# Altium PCB 控制板.PcbDoc (part 4 of 12)
Units mil, origin at the board's own origin, x right, y up, seen from the top; angles counter-clockwise.
Board outline 8150.4 x 2246.9 mil, 6 copper layers (TopLayer, MidLayer1, MidLayer2, MidLayer3, MidLayer4, BottomLayer); 1570 components, 853 nets, 4888 pads, 1859 vias.
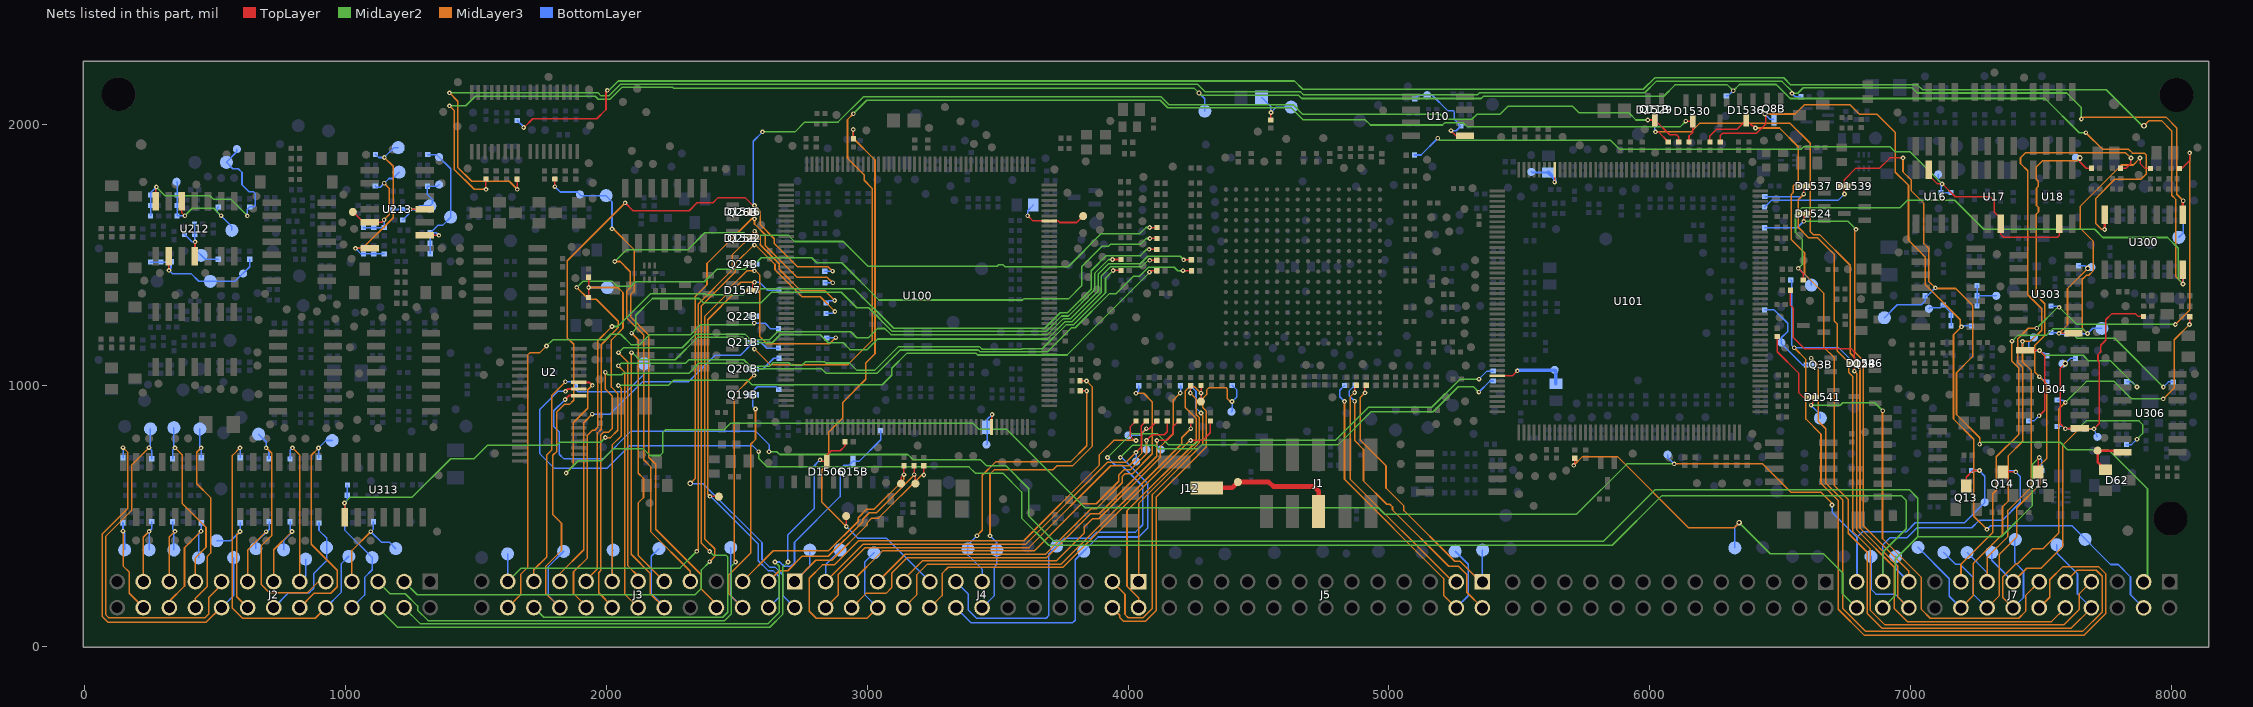
[diagram p8: the nets of this part, all layers, seen from the top]

## Via types
v1: diameter 18, hole 8, TopLayer to BottomLayer, tented both sides, 1737 vias
v2: diameter 20, hole 12, TopLayer to BottomLayer, tented both sides, 71 vias
v3: diameter 22, hole 12, TopLayer to BottomLayer, tented both sides, 51 vias

## Nets (pads, with @x,y where several pads share a name; then routed paths per layer and width w, separated by ;. In a path a pad name is that pad's centre, name@x,y a point inside that pad or via, vN(x,y) a via of type N, cw(c..) or ccw(c..) an arc to the next point about the centre after c; other vN are vias at no path point) (continued)
J2-3_0: J2.3 Q24B.3 R557.2 | length 3161.2
  MidLayer2 w6: J2.3@1224.4,248.4 1274.6,198.2 2340.1,198.2 2364.4,222.5 2364.4,292.9 v1(2396.1,324.6)
  MidLayer3 w6: v1(2396.1,324.6) 2415.7,344.2 2415.7,373.8 2376.5,413 2376.5,1265 2474,1362.5 2474,1375.9 2537.7,1439.6 2573.2,1439.6 2587.4,1425.4 2587.4,1188.7 2616.1,1160 2855.6,1160 v1(2879.4,1183.8)
  BottomLayer w6: Q24B.3@2562.6,1465.45 2562.6,1444.4 v1(2567.4,1439.6) ; R557.2@2844.8,1182.5 2878.1,1182.5 v1(2879.4,1183.8)
J2-4_0: J2.4 Q15B.3 R545.1 | length 2437.2
  MidLayer2 w6: J2.4@1224.4,148.4 1286.9,85.9 2618.2,85.9 2662.4,130.1 2662.4,307.1 v1(2646.1,323.4)
  BottomLayer w6: v1(2646.1,323.4) 2665,323.4 2681.5,306.9 2706.9,306.9 2721.3,321.3 2721.3,399.4 2896.1,574.2 2896.1,678.4 2912.3,694.6 2930.2,694.6 2944.8,709.2 2968.6,709.2 3051.5,792.1 R545.1@3051.5,827.1
J2-5_0: J2.5 Q20B.3 R568.2 | length 2537.8
  MidLayer2 w6: J2.5@1124.4,248.4 1170.7,202.1 1229.1,202.1 1276.1,155.1 1276.1,138.8 1316.1,98.8 2453.6,98.8 2479.4,124.6 2479.4,307.5 v1(2495.7,323.8)
  MidLayer3 w6: v1(2495.7,323.8) 2489.4,330.1 2489.4,963.8 2564.8,1039.2 v1(2566.5,1039.2)
  BottomLayer w6: v1(2566.5,1039.2) 2561.8,1043.9 Q20B.3@2561.8,1064.25 2601.15,1064.25 2641.9,1105 R568.2@2661.6,1105
J2-6_0: D1506.3 J2.6 R168.1 | length 2407.1
  TopLayer w6: v1(2819.4,715) 2825.4,709 D1506.3@2844.85,709 2844.85,732.95 2861.9,750 2896.3,750 2914.9,768.6 R168.1@2914.9,784.6
  MidLayer2 w6: J2.6@1124.4,148.4 1199.4,73.4 2626.1,73.4 2676.9,124.2 2676.9,304.6 v1(2696.1,323.8)
  BottomLayer w6: v1(2696.1,323.8) 2696.1,427.9 2796.9,528.7 2796.9,692.5 v1(2819.4,715)
J2-7_0: J2.7 R640.2 TP501.1 | length 386.6
  MidLayer3 w6: J2.7@1024.4,248.4 1024.4,367.5 v1(1096.5,439.6)
  BottomLayer w6: R640.2@1106.9,478 1106.9,450 v1(1096.5,439.6) 1137.3,398.8 1168.2,398.8 TP501.1@1192.4,374.6
J2-8_0: J2.8 R642.1 TP500.1 | length 401.7
  BottomLayer w6: R642.1@996.1,474.2 996.1,446.3 1101.9,340.5 1101.9,293.3 1072.8,264.2 1072.8,196.8 J2.8@1024.4,148.4
J2-9_0: J2.9 R697.2 TP516.1 | length 938.7
  MidLayer3 w6: v1(695.7,761.3) 716.9,740.1 716.9,425.4 676.1,384.6 676.1,237.9 707.7,206.3 854.5,206.3 896.6,248.4 J2.9@924.4,248.4
  BottomLayer w6: TP516.1@666.5,813.4 695.7,784.2 v1(695.7,761.3) 706.5,750.5 R697.2@706.5,719.2
J2-10_0: J2.10 R701.2 TP502.1 | length 1290.1
  MidLayer3 w6: v1(595.3,761.3) 566.1,732.1 566.1,145.9 604.5,107.5 883.5,107.5 J2.10@924.4,148.4
  BottomLayer w6: v1(595.3,761.3) 596.6,760 R701.2@596.6,723.4 ; J2.10@924.4,148.4 982.8,206.8 982.8,315.4 TP502.1@1012.4,345
J2-11_0: J2.11 R696.2 TP209.1 | length 666.3
  MidLayer3 w6: v1(796.5,761.3) 824.4,733.4 J2.11@824.4,248.4
  BottomLayer w6: R696.2@787.4,718.7 787.4,752.2 v1(796.5,761.3) ; J2.11@824.4,248.4 846.9,270.9 TP209.1@846.9,334.6
J2-12_0: J2.12 R694.2 TP515.1 | length 863.4
  MidLayer3 w6: J2.12@824.4,148.4 879.4,203.4 943.2,203.4 968.2,228.4 968.2,292.2 868.6,391.8 868.6,733 v1(896.1,760.5)
  BottomLayer w6: R694.2@897.7,723.8 897.7,758.9 v1(896.1,760.5) 924.8,789.2 TP515.1@948.6,789.2
J2-13_0: J2.13 R688.2 TP507.1 | length 345.5
  MidLayer3 w6: J2.13@724.4,248.4 724.4,370 v1(794.9,440.5)
  BottomLayer w6: TP507.1@762.4,370 762.4,403.8 794.9,436.3 v1(794.9,440.5) 787.4,448 R688.2@787.4,477.6
J2-14_0: J2.14 R686.1 TP503.1 | length 467.9
  BottomLayer w6: J2.14@724.4,148.4 782.3,206.3 862,206.3 877.8,222.1 877.8,279.6 927.4,329.2 927.4,415.4 898.2,444.6 R686.1@898.2,473.4
J2-15_0: J2.15 R689.2 TP508.1 | length 346.1
  MidLayer3 w6: J2.15@624.4,248.4 624.4,368.7 v1(695.7,440)
  BottomLayer w6: TP508.1@656.3,374.6 656.3,397.8 707.4,448.9 R689.2@707.4,478.4
J2-16_0: J2.16 R691.1 TP514.1 | length 452.5
  MidLayer3 w6: v1(595.3,440.5) 582.4,427.6 582.4,190.4 J2.16@624.4,148.4
  BottomLayer w6: TP514.1@506.5,405 559.8,405 596.5,441.7 R691.1@596.5,474.2
J2-17_0: J2.17 R715.1 TP506.1 | length 1380.9
  MidLayer3 w6: v1(246.5,761.7) 179.4,694.6 179.4,520.8 79.9,421.3 79.9,121.7 91.1,110.5 462.4,110.5 475.7,123.8 475.7,187.6 524.4,236.3 J2.17@524.4,248.4
  BottomLayer w6: TP506.1@251.9,833.8 251.9,767.1 v1(246.5,761.7) 256.9,751.3 R715.1@256.9,719.2
J2-18_0: J2.18 R717.1 TP510.1 | length 1434.4
  MidLayer3 w6: v1(146.9,761.7) 165.7,742.9 165.7,529.6 66.9,430.8 66.9,114.7 88.6,93 466.2,93 521.6,148.4 J2.18@524.4,148.4
  BottomLayer w6: R717.1@146.9,723.4 v1(146.9,761.7) ; J2.18@524.4,148.4 571.1,195.1 TP510.1@571.1,340
J2-19_0: J2.19 R714.1 TP504.1 | length 703.6
  MidLayer3 w6: v1(346.1,761.3) 373.2,734.2 373.2,548.4 464.9,456.7 464.9,380.1 424.4,339.6 J2.19@424.4,248.4
  BottomLayer w6: R714.1@336.9,719.2 336.9,752.1 v1(346.1,761.3) 341.9,765.5 TP504.1@341.9,838.4
J2-20_0: J2.20 R705.2 TP1509.1 | length 778.4
  MidLayer3 w6: J2.20@424.4,148.4 424.4,184.6 470.3,230.5 470.3,345.9 482.4,358 482.4,570.4 429.4,623.4 429.4,744.2 v1(446.5,761.3)
  BottomLayer w6: TP1509.1@441.1,833.4 441.1,766.7 446.9,760.9 R705.2@446.9,723.4
J2-21_0: J2.21 R707.1 TP517.1 | length 314.4
  MidLayer3 w6: J2.21@324.4,248.4 324.4,419.6 v1(345.7,440.9)
  BottomLayer w6: R707.1@336.9,477.5 336.9,449.7 v1(345.7,440.9) 341.9,437.1 TP517.1@341.9,369.6
J2-22_0: J2.22 R702.1 TP511.1 | length 481.9
  MidLayer3 w6: J2.22@324.4,148.4 324.4,173.3 382.4,231.3 382.4,378 v1(445.7,441.3)
  BottomLayer w6: TP511.1@436.5,339.6 436.5,432.1 447.4,443 R702.1@447.4,473.8
J2-23_0: J2.23 R708.1 TP513.1 | length 314.4
  MidLayer3 w6: J2.23@224.4,248.4 224.4,418.4 v1(246.9,440.9)
  BottomLayer w6: TP513.1@246.9,370 v1(246.9,440.9) 257.1,451.1 R708.1@257.1,478.4
J2-24_0: J2.24 R710.2 TP512.1 | length 432
  MidLayer3 w6: v1(146.9,441.7) 146.9,308.4 170.3,285 170.3,203.7 224.4,149.6 J2.24@224.4,148.4
  BottomLayer w6: R710.2@146.6,473.8 146.6,442 152.8,435.8 TP512.1@152.8,369.8
J3-1_0: J3.1 R164.2 TP2.1 | length 849.1
  TopLayer w6: R164.2@3216.9,692.6 3217.1,692.4 v1(3217.1,657.1)
  MidLayer3 w6: J3.1@2721.9,248.8 2803.1,330 2864,330 2999.4,465.4 2999.4,473.3 3017.8,491.7 3043.6,491.7 3209,657.1 v1(3217.1,657.1)
  BottomLayer w6: J3.1@2721.9,248.8 2780.3,307.2 TP2.1@2780.3,369.2
J3-2_0: D1516.3 J3.2 R561.2 | length 2301
  TopLayer w6: D1516.3@2562.6,1665.85 2562.6,1644.4 v1(2567.8,1639.2)
  MidLayer3 w6: v2(2321.3,625) 2340.3,644 2340.3,1341.3 2385.7,1386.7 2385.7,1467.9 2557,1639.2 v1(2567.8,1639.2) 2567.8,1619.2 2609,1578 2609,1537.3 2730.8,1415.5 2846.1,1415.5 v1@2867.8,1393.8
  BottomLayer w6: v2@2321.5,623.8 2370.7,623.8 2596.5,398 2596.5,333 2625.7,303.8 2646.9,303.8 2676.1,274.6 2676.1,194.6 J3.2@2721.9,148.8 ; R561.2@2837.7,1393.8 2867.4,1393.8 v1(2867.8,1394.2)
J3-3_0: J3.3 pad.133@3184.9,624.2 R165.2 | length 805.1
  TopLayer w6: R165.2@3179.9,692.2 3179.9,659 3184.9,654 pad.133@3184.9,624.2
  MidLayer3 w6: J3.3@2621.9,248.8 2663.1,290 2695.2,290 2750.2,345 2850.7,345 2982.8,477.1 2982.8,487.1 3007.8,512.1 3035.7,512.1 3180.5,656.9 v1(3180.5,658.4)
J3-4_0: D1517.3 J3.4 pad.90@2431.1,574.2 R572.2 | length 1670.7
  TopLayer w6: v1(2396.5,575) 2430.3,575 pad.90@2431.1,574.2 ; D1517.3@2561.4,1365.45 2561.4,1389.5 v1(2567.8,1395.9)
  MidLayer3 w6: v1(2396.5,575) 2388.2,583.3 2388.2,1252.5 2495.3,1359.6 2495.3,1375.9 2515.3,1395.9 v1(2567.8,1395.9)
  BottomLayer w6: v1(2396.5,575) 2399.9,575 2582.4,392.5 2582.4,327.9 2619.8,290.5 2639,290.5 2662.4,267.1 2662.4,189.3 J3.4@2621.9,148.8 ; v1(2567.8,1395.9) 2586.9,1395.9 2616.9,1365.9 R572.2@2662.2,1365.9
J3-5_0: J3.5 pad.132@3129.9,623.8 R166.2 | length 880.3
  TopLayer w6: pad.132@3129.9,623.8 3129.9,647.6 v1(3140.7,658.4) R166.2@3140.7,692.6
  MidLayer3 w6: J3.5@2521.9,248.8 2639.8,366.7 2851.9,366.7 2965.3,480.1 2965.3,493 2998.6,526.3 3027.4,526.3 3140.7,639.6 v1(3140.7,658.4)
J3-6_0: J3.6 Q19B.3 R567.2 TP1.1 | length 1257.3
  MidLayer3 w6: J3.6@2521.9,148.8 2468.2,202.5 2468.2,272.6 2553.2,357.6 2553.2,775 2571.7,793.5 v1(2571.7,909.8)
  BottomLayer w6: TP1.1@2476.9,378.8 2476.9,193.8 J3.6@2521.9,148.8 ; v1(2571.7,909.8) 2561.9,919.6 2561.9,978.3 2578.6,995 2650.3,995 R567.2@2660.7,984.6
J3-8_0: J3.8 pad.26@1898.2,1733 R179.2 TP55.1 | length 2009.5
  TopLayer w6: v1(1802.4,1762.5) R179.2@1802.4,1792.2
  MidLayer3 w6: v1(2021.5,1600.9) 2026.1,1600.9 2107.4,1519.6 2107.4,1363.9 2092.8,1349.3 2092.8,1263.3 2162.4,1193.7 2162.4,725.4 2189.4,698.4 2189.4,449.2 2364,274.6 2364,219.6 2421.9,161.7 J3.8@2421.9,148.8
  BottomLayer w6: v1(1802.4,1762.5) 1822.8,1742.1 1889,1742.1 1904,1727.1 1999.5,1727.1 2021.5,1705.1 v1(2021.5,1600.9)
J3-9_0: J3.9 R143.1 | length 3616
  TopLayer w6: v1(4082.8,1605.9) 4083,1605.7 R143.1@4110.9,1605.7
  MidLayer2 w6: v1(2031.9,1475.5) 2077.5,1521.1 2313,1521.1 2377.4,1585.5 2526.5,1585.5 2536.5,1575.5 2698.2,1575.5 2721.4,1552.3 2908,1552.3 3003.2,1457.1 3498.1,1457.1 3504.8,1463.8 3519.8,1463.8 3528.1,1455.5 3770.4,1455.5 3897.4,1582.5 4045.2,1582.5 4068.6,1605.9 v1(4082.8,1605.9)
  MidLayer3 w6: v1(2031.9,1475.5) 2052.7,1475.5 2091.5,1436.7 2091.5,1375.4 2078.6,1362.5 2078.6,1258 2142.8,1193.8 2142.8,715.4 2170.7,687.5 2170.7,438.7 2321.9,287.5 J3.9@2321.9,248.8
J3-11_0: J3.11 R156.1 | length 3220.9
  TopLayer w6: v1(3940.1,1483.2) R156.1@3973.2,1483.2
  MidLayer2 w6: v1(2096.9,1200.9) 2112.4,1216.4 2112.4,1269.4 2176.8,1333.8 2356.3,1333.8 2373.4,1316.7 2591.5,1316.7 2632.8,1358 2900.3,1358 2960.3,1298 3005.6,1298 3096.1,1207.5 3686.1,1207.5 3745.3,1266.7 3771.5,1266.7 3871.9,1367.1 3871.9,1429.6 3925.5,1483.2 v1(3940.1,1483.2)
  MidLayer3 w6: v1(2096.9,1200.9) 2122.4,1175.4 2122.4,663.8 2142.4,643.8 2142.4,570.5 2121.5,549.6 2121.5,349.2 J3.11@2221.9,248.8
J3-12_0: J3.12 R146.1 TP29.1 | length 3572.6
  TopLayer w6: v1(4083.2,1479.8) 4083.7,1480.3 R146.1@4110.3,1480.3
  MidLayer2 w5: 3933.4,1456.3 4053.2,1456.3
  MidLayer2 w6: v1(2096.5,1125.9) 2100.2,1125.9 2126.9,1099.2 2264.4,1099.2 2349.8,1184.6 2524.5,1184.6 2545.3,1163.8 2635.7,1163.8 2666.3,1194.4 2820,1194.4 2850.8,1163.6 2908.1,1163.6 2933.7,1138 3000.3,1138 3040.7,1178.4 3691.4,1178.4 3757,1244 3784.5,1244 3896.9,1356.4 3896.9,1419.8 3933.4,1456.3 ; 4053.2,1456.3 4076.7,1479.8 v1(4083.2,1479.8)
  MidLayer3 w6: v1(2096.5,1125.9) 2095.3,1124.7 2095.3,352.9 2168.6,279.6 2168.6,202.1 J3.12@2221.9,148.8
  BottomLayer w6: TP29.1@2201.5,374.6 2171.9,345 2171.9,201.7 2221.9,151.7 J3.12@2221.9,148.8
J3-13_0: J3.13 R137.1 | length 3357.8
  TopLayer w6: v1@4213.6,1482.1 R137.1@4242.6,1482.1
  MidLayer2 w6: v1(2046.1,1125.9) 2065.2,1145 2290.8,1145 2343.1,1197.3 2531,1197.3 2553,1175.3 2625.1,1175.3 2656.1,1206.3 2936.6,1206.3 2959.5,1183.4 3004.5,1183.4 3039.9,1218.8 3067.6,1218.8 3090.9,1195.5 3691.1,1195.5 3751.1,1255.5 3778.9,1255.5 3885.1,1361.7 3885.1,1426.3 3925.5,1466.7 4047,1466.7 4075.8,1495.5 4200,1495.5 v1(4213.4,1482.1)
  MidLayer3 w6: v1(2046.1,1125.9) 2082.4,1089.6 2082.4,308.4 2121.9,268.9 J3.13@2121.9,248.8
J3-14_0: J3.14 R157.1 | length 3133.4
  TopLayer w6: v1(3943,1441.1) 3943.2,1441.3 R157.1@3973.4,1441.3
  MidLayer2 w6: v1(2045.7,1075.9) 2055.7,1085.9 2303.7,1085.9 2316.8,1099 2526.8,1099 2551.2,1074.6 2626.5,1074.6 2639.9,1088 2699.4,1088 2709.9,1077.5 2749.6,1077.5 2762.6,1090.5 2837.1,1090.5 2841.3,1086.3 2932.5,1086.3 2960.8,1058 3028.2,1058 3118.2,1148 3432.3,1148 3441.1,1139.2 3592.3,1139.2 3594.4,1141.3 3671.5,1141.3 3762.5,1232.3 3789.8,1232.3 3913.6,1356.1 3913.6,1411.7 v1(3943,1441.1)
  MidLayer3 w6: v1(2045.7,1075.9) 2069.9,1051.7 2069.9,200.8 J3.14@2121.9,148.8
J3-15_0: J3.15 R147.1 TP30.1 | length 3177.2
  TopLayer w6: v1(4082.6,1434.8) 4088.1,1440.3 R147.1@4110.1,1440.3
  MidLayer2 w6: v1(2045.7,1000.5) 2237.4,1000.5 2257.2,1020.3 2541.3,1020.3 2558.6,1003 3057.4,1003 3093.8,1039.4 3093.8,1066.1 3152.3,1124.6 3416.1,1124.6 3423.6,1117.1 3766.1,1117.1 4082.6,1433.6 v1(4082.6,1434.8)
  MidLayer3 w6: J3.15@2021.9,248.8 2021.9,771.7 2057.8,807.6 2057.8,988.4 v1(2045.7,1000.5)
  BottomLayer w6: J3.15@2021.9,248.8 2021.9,365 TP30.1@2026.1,369.2
J3-16_0: J3.16 R138.1 | length 3433.2
  TopLayer w6: v1(4210.5,1440.3) 4210.7,1440.5 R138.1@4243,1440.5
  MidLayer2 w6: v1(1996.1,1050.9) 2005.7,1041.3 2058.6,1041.3 2064.8,1047.5 2316.5,1047.5 2354,1085 2523.7,1085 2544.9,1063.8 2825.3,1063.8 2842.4,1046.7 3037.4,1046.7 3127,1136.3 3426.1,1136.3 3433.6,1128.8 3690.1,1128.8 3782.8,1221.5 3797.6,1221.5 3927.4,1351.3 3953.2,1351.3 4021.7,1419.8 4044.6,1419.8 4078.6,1453.8 4177.2,1453.8 4190.7,1440.3 v1(4210.5,1440.3)
  MidLayer3 w6: v1(1996.1,1050.9) 1996.1,986.3 2023.2,959.2 2023.2,835.9 2008.2,820.9 1989,820.9 1978.6,810.5 1978.6,290.5 1970.3,282.2 1970.3,205.1 2021.9,153.5 J3.16@2021.9,148.8
J3-17_0: J3.17 R144.1 | length 3755.3
  TopLayer w6: v1(4083.6,1563.8) 4084,1564.2 R144.1@4110.7,1564.2
  MidLayer2 w6: v1(1886.5,1376.3) 1909.4,1399.2 2023.2,1399.2 2041.3,1381.1 2094.2,1381.1 2110.6,1397.5 2134.4,1397.5 2375.6,1397.5 2424.4,1446.3 2530.7,1446.3 2554.9,1470.5 2574,1470.5 2593.5,1490 2787,1490 2806.5,1470.5 2902.7,1470.5 3045.2,1328 3595.7,1328 3599.8,1332.1 3674.4,1332.1 3771.5,1332.1 3822.8,1383.4 3822.8,1456 3900.6,1533.8 3924.9,1533.8 3932,1540.9 4047,1540.9 4069.9,1563.8 v1(4083.6,1563.8)
  MidLayer3 w6: v1(1886.5,1376.3) 1932.3,1330.5 1961.5,1330.5 2045.3,1246.7 2045.3,1222.2 1979.9,1156.8 1979.9,832.6 1965.7,818.4 1965.7,297.2 1921.9,253.4 J3.17@1921.9,248.8
J3-18_0: J3.18 R145.1 | length 3544.8
  TopLayer w6: v1(4081.1,1522.1) R145.1@4110.1,1522.1
  MidLayer2 w6: v1(2021.5,1226.3) 2044,1226.3 2169.4,1351.7 2378.6,1351.7 2382.3,1348 2525.3,1348 2548.6,1371.3 2949.8,1371.3 3101.9,1219.2 3680.7,1219.2 3740.3,1278.8 3767.8,1278.8 3858.6,1369.6 3858.6,1440.1 3916.9,1498.4 4048.2,1498.4 4071.9,1522.1 v1(4081.1,1522.1)
  MidLayer3 w6: J3.18@1921.9,148.8 1921.9,154.6 1874,202.5 1874,285.8 1927.4,339.2 1927.4,809.5 1946.5,828.6 1954.9,828.6 1966.9,840.6 1966.9,1171.7 v1(2021.5,1226.3)
J3-19_0: D1530.3 J3.19 Q21B.3 R48.1 R569.2 | length 6374.7
  TopLayer w6: v1(6138.4,2013.6) 6164.35,2013.6 D1530.3@6165.05,2012.9 6165.05,1970.85 6150.9,1956.7 R48.1@6150.9,1933.2
  MidLayer2 w6: v1(2946.9,2042.1) 2998.4,2093.6 4123.6,2093.6 4152.2,2065 4625.3,2065 4671.9,2018.4 4909.8,2018.4 4929.4,1998.8 5205.7,1998.8 5214.9,2008 5285.7,2008 5302,1991.7 6116.5,1991.7 v1(6138.4,2013.6)
  MidLayer3 w6: J3.19@1821.9,248.8 1821.9,279.1 1912.8,370 1912.8,857.6 v1(1945.7,890.5) ; v1(2567.4,1140) 2626.9,1080.5 2926.5,1080.5 3018.6,1172.6 3018.6,1756.7 2988.6,1786.7 2988.6,1807.1 2924.4,1871.3 2924.4,2019.6 v1(2946.9,2042.1)
  BottomLayer w6: v1(1945.7,890.5) 2014.1,890.5 2138.2,1014.6 2314.4,1014.6 2415.3,1115.5 2512.8,1115.5 Q21B.3@2563.2,1165.9 ; v1(2567.4,1140) 2563.2,1144.2 Q21B.3@2563.2,1165.9 ; R569.2@2660.3,1143.4 2614.4,1143.4 2591.9,1165.9 Q21B.3@2563.2,1165.9
J3-20_0: D1529.3 J3.20 Q26B.3 R49.1 R562.2 TP28.1 | length 7051.7
  TopLayer w6: v1(2071.9,1700.5) 2101.9,1670.5 2317.8,1670.5 2347.8,1700.5 2408.3,1700.5 2428.3,1720.5 2531.9,1720.5 2561.9,1690.5 v1(2567.8,1690.5) ; v1(5992.8,2018) 6020.2,2018 6076.5,1961.7 6102.6,1961.7 6111.1,1953.2 R49.1@6111.1,1933.6
  MidLayer2 w6: v1(2598.2,1972.5) 2723.2,1972.5 2760.7,2010 2888.1,2010 2984.8,2106.7 4127,2106.7 4157,2076.7 4633.2,2076.7 4669.4,2040.5 5196.9,2040.5 5216.5,2020.9 5318.3,2020.9 5337.9,2040.5 5426.5,2040.5 5457.3,2071.3 5703.6,2071.3 5729,2045.9 5919.4,2045.9 5947.3,2018 v1(5992.8,2018)
  MidLayer3 w6: J3.20@1821.9,148.8 1766.9,203.8 1766.9,306.2 1827.8,367.1 1827.8,472.1 1794.4,505.5 1794.4,732.5 1810.3,748.4 1810.3,899.6 1838.2,927.5 1858.6,927.5 1874.9,943.8 1874.9,1157.9 1850.3,1182.5 1850.3,1478.9 v1(2071.9,1700.5) ; v1(2567.8,1690.5) 2590.7,1667.6 2590.7,1616.3 2644,1563 2644,1544.6 2732.7,1455.9 2849.9,1455.9 v1(2867.4,1438.4)
  BottomLayer w6: J3.20@1821.9,148.8 1821.9,150.9 1776.5,196.3 1776.5,304.6 TP28.1@1836.1,364.2 ; Q26B.3@2562.6,1665.05 2562.6,1936.9 v1(2598.2,1972.5) ; R562.2@2837.3,1438.4 v1(2867.4,1438.4)
J3-21_0: J3.21 R602.1 TP3.1 | length 1209.1
  MidLayer3 w6: J3.21@1721.9,248.8 1721.9,293.8 1771.9,343.8 1771.9,735 1791.1,754.2 1791.1,962.9 v1(1842.8,1014.6)
  BottomLayer w6: v1(1842.8,1014.6) 1866.1,1014.6 1883.6,997.1 1883.6,984.2 1891.5,976.3 2077,976.3 2144.9,1044.2 TP3.1@2144.9,1083.8
J3-22_0: J3.22 Q25B.3 R559.2 | length 2823.1
  MidLayer2 w6: J3.22@1721.9,148.8 1759.4,111.3 2446.1,111.3 2465.7,130.9 2465.7,342.6 2458.3,350 2409.9,350 v1(2396.1,363.8)
  MidLayer3 w6: v1(2396.1,363.8) 2364.2,395.7 2364.2,1305.6 2494,1435.4 2494,1467.5 2565.7,1539.2 2571.5,1539.2 2646.5,1464.2 2646.5,1443.8 2750.3,1340 2820.3,1340 v1(2876.1,1284.2)
  BottomLayer w6: Q25B.3@2562.6,1565.45 2562.6,1544 v1(2567.4,1539.2) ; R559.2@2841.9,1276.7 2868.6,1276.7 v1(2876.1,1284.2)
J3-23_0: D1522.3 J3.23 R560.2 TP27.1 | length 2711
  TopLayer w6: D1522.3@2562,1565.25 2562,1585.1 v1(2568.6,1591.7)
  MidLayer2 w6: J3.23@1621.9,248.8 1673.1,300 2282.3,300 v1(2346.5,364.2)
  MidLayer3 w6: v1(2346.5,364.2) 2352.8,370.5 2352.8,1313.8 2481.9,1442.9 2481.9,1500.8 2568.6,1587.5 v1(2568.6,1591.7) 2589.9,1570.4 2589.9,1539.6 2662.4,1467.1 2662.4,1445.9 2744.1,1364.2 2837,1364.2 v1(2875.3,1325.9)
  BottomLayer w6: TP27.1@1621.1,354.6 1621.9,353.8 J3.23@1621.9,248.8 ; R560.2@2842.7,1316.3 2852.3,1325.9 v1(2875.3,1325.9)
J3-24_0: J3.24 Q22B.3 R570.2 | length 2082.6
  MidLayer2 w6: v1(1770.3,1151.3) 1794,1175 1994.2,1175 2015.9,1196.7 2054.6,1196.7 2094.4,1156.9 2128,1156.9 2166.4,1195.3 2323.2,1195.3 2361.3,1233.4 2560.7,1233.4 v1(2566.9,1239.6)
  MidLayer3 w6: J3.24@1621.9,148.8 1671.1,198 1671.1,275.8 1697.8,302.5 1697.8,1116.7 1706.1,1125 1744,1125 v1(1770.3,1151.3)
  BottomLayer w6: Q22B.3@2561.8,1265.45 2561.8,1244.7 2568.1,1238.4 2609,1238.4 2629.4,1218 R570.2@2660.3,1218
J7-3_0: D1539.3 J7.3 R325.1 R362.2 TP1516.1 | length 3294
  TopLayer w6: v1(6746.7,1734.4) 6746.7,1789.2 6791.1,1833.6 6882.1,1833.6 6921.3,1872.8 v1(6971.3,1872.8)
  MidLayer2 w6: v1(7265.3,775) 7272.4,782.1 7573.7,782.1 7602.4,753.4 7759,753.4 7908.6,603.8 7908.6,262.5 J7.3@7893.6,247.5
  MidLayer3 w6: v1(6971.3,1872.8) 6971.3,1819 7003.6,1786.7 7003.6,1746.3 7051.5,1698.4 7051.5,1544.6 7070.3,1525.8 7070.3,1399.2 7097.4,1372.1 7174,1372.1 7238.2,1307.9 7238.2,1110.9 7176.5,1049.2 7176.5,888.8 7265.3,800 v1(7265.3,775)
  BottomLayer w6: R362.2@6440.8,1684.2 6440.8,1684.7 6465.7,1709.6 6721.9,1709.6 v1(6746.7,1734.4) ; TP1516.1@6899.9,1260 6949.5,1309.6 7041.9,1309.6 7056.1,1323.8 R325.1@7056.1,1344.2 7064.9,1344.2 v1(7095.3,1374.6)
J7-4_0: J7.4 Q8B.3 R45.1 R312.1 TP1517.1 | length 3365.9
  TopLayer w6: R45.1@6270.7,1933.6 6270.7,1958.2 6280.3,1967.8 6410.4,1967.8 6444.9,2002.3 6444.9,2037.5 v1(6441.3,2041.1)
  MidLayer3 w6: v1(6441.3,2041.1) 6557.6,2041.1 6593.2,2076.7 6767.8,2076.7 6804.5,2040 6871.9,2040 6941.9,1970 6941.9,1818 6992.4,1767.5 6992.4,1557.1 7057.4,1492.1 7057.4,1386.3 7191.1,1252.6 7191.1,1220.8 7164.9,1194.6 7164.9,872.1 7242.8,794.2 7242.8,499.2 v1(7293.2,448.8)
  BottomLayer w6: v1(6441.3,2041.1) 6461.4,2021 Q8B.3@6476.15,2021 ; v1(7195.3,1225) 7198.7,1228.4 R312.1@7234,1228.4 ; v1(7293.2,448.8) 7307.4,463 7617.8,463 7767,313.8 7796.1,313.8 7843.6,266.3 7843.6,197.5 J7.4@7893.6,147.5
J7-7_0: D1537.3 J7.7 R363.2 | length 2896.6
  TopLayer w6: D1537.3@6590.4,1763.85 6590.9,1763.35 v1(6590.9,1733.8)
  MidLayer3 w6: v1(6590.9,1733.8) 6569.4,1712.3 6569.4,1606.8 6610.3,1565.9 6644,1565.9 6707.8,1502.1 6707.8,1247.5 6719,1236.3 6719,1132.2 6762.8,1088.4 6762.8,1050 6779.4,1033.4 6779.4,440.1 6846.5,373 6846.5,137.9 6902.3,82.1 7587.8,82.1 7646.5,140.8 7646.5,200.4 J7.7@7693.6,247.5
  BottomLayer w6: R363.2@6441.3,1724.6 6581.7,1724.6 v1(6590.9,1733.8)
J7-8_0: D1536.3 J7.8 R46.1 TP46.1 | length 3554.6
  TopLayer w6: R46.1@6230.9,1933.6 6230.9,1957.3 6255.9,1982.3 6334.8,1982.3 6360.7,2008.2 6381,2008.2 6393.1,1996.1 6396.7,1996.1 v1(6405.5,1987.3)
  MidLayer3 w6: v1(6405.5,1987.3) 6498,1987.3 6569.6,1915.7 6569.6,1784.4 6550.5,1765.3 6550.5,1740.1 6543.6,1733.2 6543.6,1558.8 6593.6,1508.8 6593.6,1427.9 6666.9,1354.6 6666.9,1147.6 6707.4,1107.1 6707.4,617 6761.5,562.9 6761.5,433.8 6834,361.3 6834,126.3 6890.7,69.6 7615.7,69.6 J7.8@7693.6,147.5
  BottomLayer w6: TP46.1@7561.1,389.6 7561.1,357.9 7640.3,278.7 7640.3,200.8 J7.8@7693.6,147.5
J7-9_0: J7.9 pad.312 Q3B.3 R356.2 | length 2748.4
  MidLayer3 w6: v1(6619.6,1105) 6646.1,1078.5 6646.1,863.4 6675.3,834.2 6675.3,626.3 6740.3,561.3 6740.3,145 6828.2,57.1 7659.8,57.1 7734.9,132.2 7734.9,269.2 7712,292.1 7638.2,292.1 J7.9@7593.6,247.5
  BottomLayer w6: R356.2@6440.4,1290 6477.4,1290 6529,1238.4 6529,1207.1 6504.9,1183 6504.9,1160.8 6586.9,1078.8 6615.45,1078.8 6615.45,1100.85 v1(6619.6,1105)
J7-10_0: D1546.3 J7.10 R26.2 | length 2188.6
  TopLayer w6: R26.2@6539.8,1365 6539.8,1307.2 6550.1,1296.9 6550.1,1184.6 6594.4,1140.3 6774,1140.3 6784.6,1129.7 v1(6784.6,1055.3)
  MidLayer3 w6: v1(6784.6,1055.3) 6793.2,1046.7 6793.2,447.9 6937.4,303.7 6937.4,145 6987.4,95 7541.1,95 J7.10@7593.6,147.5
J7-11_0: D1541.3 J7.11 R29.1 TP24.1 | length 2082.5
  TopLayer w6: R29.1@6489,1188.4 6489,1129.6 6570.9,1047.7 6570.9,973.4 6590.05,954.25 D1541.3@6625,954.25 6625.7,953.55 6625.7,931.3 v1(6619,924.6)
  MidLayer2 w6: v1(6619,924.6) 6730.7,924.6 6740.3,934.2 6862.8,934.2 v1(6893.8,903.2)
  MidLayer3 w6: v1(6893.8,903.2) 6892.8,902.2 6892.8,413.3 7041.9,264.2 7041.9,141.7 7075.6,108 7415.3,108 7441.1,133.8 7441.1,195 J7.11@7493.6,247.5
  BottomLayer w6: v1(6619,924.6) 6654.4,889.2 TP24.1@6654.4,875
J7-12_0: J7.12 Q2B.3 R357.2 | length 3219.2
  MidLayer3 w6: v1(6554.2,1145) 6599,1100.2 6599,871.3 6656.9,813.4 6656.9,625.5 6723.2,559.2 6723.2,142.1 6821.9,43.4 7665.8,43.4 7749.4,127 7749.4,277.5 7721,305.9 7584.9,305.9 7534.4,255.4 7534.4,188.3 J7.12@7493.6,147.5
  BottomLayer w6: R357.2@6541.1,1404.6 6545.3,1400.4 6545.3,1153.9 6555,1144.2 6725.7,1144.2 6785.4,1084.5 Q2B.3@6785.4,1084.15